# Altium PCB MCU025B.PcbDoc (part 4 of 4)
Units mil, origin at the board's own origin, x right, y up, seen from the top; angles counter-clockwise.
Board outline 2300 x 6150 mil, 6 copper layers (Top Signal, GND, Middle Signal, PWR, GND2, Bottom Signal), stack 61.64 mil thick; 237 components, 197 nets, 910 pads, 404 vias.
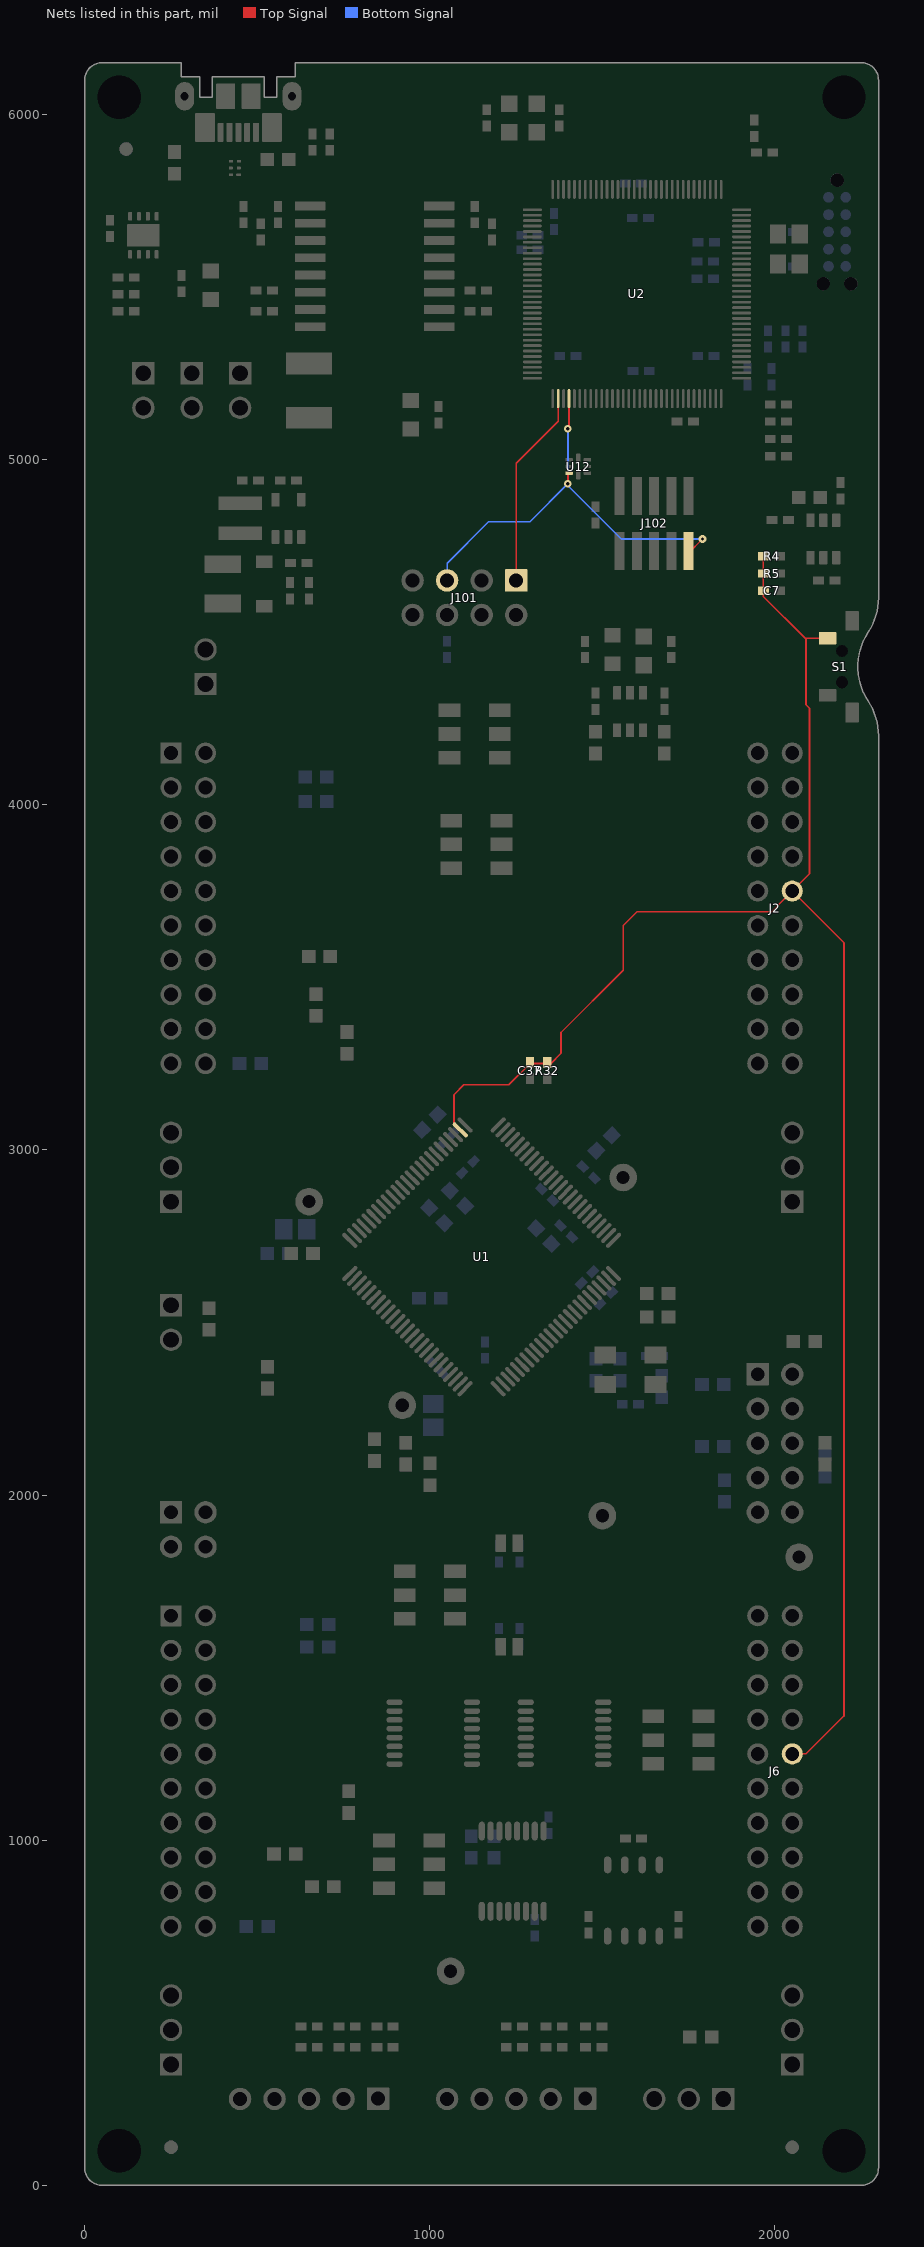
[diagram p8: the nets of this part, all layers, seen from the top]

## Via types
v1: diameter 22, hole 10, Top Signal to Bottom Signal, tented both sides, 400 vias
v2: diameter 19.68, hole 7.87, Top Signal to Bottom Signal, 4 vias

## Nets (pads, with @x,y where several pads share a name; then routed paths per layer and width w, separated by ;. In a path a pad name is that pad's centre, name@x,y a point inside that pad or via, vN(x,y) a via of type N, cw(c..) or ccw(c..) an arc to the next point about the centre after c; other vN are vias at no path point) (continued)
XDS_TMS_SWDIO: J101.5 J102.2 U2.36 U12.7 | length 1289.5
  Top Signal w5: v1(1400,4930) U12.7@1400,4960 ; v1(1400,5090) 1403.15,5093.15 U2.36@1403.15,5176.85 ; U12.7@1403.43,4960 U12.7@1403.43,4960.31 ; J102.2@1750,4730 v1(1790,4770)
  Bottom Signal w5: J101.5@1050,4650 1050,4700 1170,4820 1290,4820 v1(1400,4930) ; v1(1400,5090) v1(1400,4930) ; v1(1790,4770) 1555,4770 1400,4925 v1(1400,4930)
XDS_TXD: J101.1 U2.34 | length 577.2
  Top Signal w5: J101.1@1250,4650 1250,4990 1371.65,5111.65 U2.34@1371.65,5176.85
XRSn: C7.1 C37.2 J2.16 J6.16 R4.1 R5.2 R32.1 S1.4 U1.2 | length 5190.1
  Top Signal w5: U1.2@1088.06,3058.17 1070,3076.23 1070,3160 1098.5,3188.5 1228.5,3188.5 1290,3250 1350,3250 1380,3280 1380,3340 1560,3520 1560,3650 1600,3690 1990,3690 J2.16@2050,3750 ; C7.1@1966.38,4620 1966.38,4603.62 2087.32,4482.68 S1.4@2152.44,4482.68 ; C7.1@1966.38,4626.38 R5.2@1966.38,4670 ; R5.2@1966.38,4673.62 R4.1@1966.38,4720 ; J6.16@2050,1250 2090,1250 2200,1360 2200,3600 J2.16@2050,3750 ; 2090,4480 2090,4290 2100,4280 2100,3800 J2.16@2050,3750
pads on no net: FID1.1 FID2.1 FID3.1 FID4.1 FID5.1 FID6.1 J1.5 J2.17 J2.18 J5.9 J5.10 J6.17 J6.18 J10.7 J10.MH1 J10.MH2 J10.MH3 J11.9 J102.7 M1.0 M2.0 M3.0 M4.0 M5.0 M6.0 M7.0 M8.0 M9.0 MH1.1 MH2.1 MH3.1 MH4.1 S1. U1.43 U1.48 U1.49 U2.1 U2.2 U2.5 U2.6 U2.11 U2.12 U2.13 U2.14 U2.15 U2.18 U2.19 U2.20 U2.21 U2.22 U2.23 U2.24 U2.25 U2.27 U2.29 U2.30 U2.31 U2.32 U2.41 U2.42 U2.43 U2.44 U2.45 U2.46 U2.49 U2.50 U2.53 U2.54 U2.56 U2.57 U2.65 U2.67 U2.71 U2.72 U2.73 U2.74 U2.75 U2.76 U2.77 U2.78 U2.81 U2.82 U2.83 U2.84 U2.85 U2.86 U2.91 U2.92 U2.95 U2.102 U2.103 U2.104 U2.105 U2.106 U2.107 U2.108 U2.109 U2.110 U2.111 U2.112 U2.116 U2.117 U2.118 U2.119 U2.120 U2.121 U2.123 U2.124 U2.125 U2.126 U2.127 U2.128 U12.1 U101.7 U101.9@145.2,5650 U101.9@194.8,5650

## Polygon pours and split planes (outlines as drawn)
GND on GND "GND_GND_P018" (solid, remove dead copper, pour order 18): 865,6150 2300,6150 2300,0 0,0 0,5175 745,5175 865,5295
USB_GND on GND "GND_USB_GND_P000" (solid, remove dead copper, pour order 0): 0,5225 725,5225 815,5315 815,6150 0,6150
NetR23_1 on GND "GND_NETR23_1_P017" (solid, remove dead copper, pour order 17): 560,3300 600,3260 600,3030 860,2770 970,2880 970,2900 810,3060 810,3610 760,3660 760,4090 740,4110 580,4110 560,4090 560,3660 500,3600 320,3600 300,3580 300,3330 330,3300
NetR24_1 on GND "GND_NETR24_1_P016" (solid, remove dead copper, pour order 16): 580,1320 580,1120 560,1100 320,1100 300,1080 300,1030 300,826.67 322.86,800 700,800 800,900 800,1100 800,2450 900,2550 900,2560 820,2640 780,2640 592.5,2452.5 580,2440 580,1780
VDDA on PWR "PWR_VDDA_P014" (solid, remove dead copper, pour order 14): 977.73,3086.71 974.44,3090 869.17,3090.86 620,2850 620,2670 975,2315 1060,2400 1060,2690 1130,2760 1130,2900 1080,2950 1080,2980 1050,3020
VDD on PWR "PWR_VDD_P012" (solid, remove dead copper, pour order 12): 1555,2585 1555,2540 1530,2515 1485,2515 1270,2300 1160,2300 1111.41,2341.65 1110,2343.06 1110,2380 1170,2440 1170,2470 1260,2560 1400,2560 1470,2630 1470,2770 1190,3050 1140,3050 1080,2990 990,3080 990,3100 1040,3150 1340,3150 1580,2910 1580,2610
VDDIO on PWR "PWR_VDDIO_P010" (solid, remove dead copper, pour order 10): 870,2230 890,2210 1070,2210 1130,2270 1130,2400 1180,2440 1180,2470 1260,2550 1400,2550 1480,2630 1480,2770 1190,3060 1140,3060 1070,2990 1070,2940 1110,2900 1110,2750 1100,2750 1050,2700 1050,2410 950,2310 880,2310 870,2300
USB_VBUS on PWR "PWR_USB_VBUS_P002" (solid, remove dead copper, pour order 2): 0,6150 815,6150 815,5315 725,5225 0,5225
+3V3 on PWR "PWR_+3V3_P022" (solid, remove dead copper, pour order 22): 2300,6150 865,6150 865,5295 745,5175 0,5175 0,110 -10,100 2300,100
NetC59_1 on PWR "PWR_NETC59_1_P021" (solid, remove dead copper, pour order 21): 1840,5615 1665,5790 1645,5810 1560,5810 1550,5810 1510,5770 1510,5720 1720,5510 1880,5510 1910,5540 1910,5595 1890,5615
NetC106_2 on Top Signal "TOP_SIGNAL_NETC106_2_P030" (solid, remove dead copper, pour order 30): 730,5660 730,5505 485,5505 460,5530 460,5660
USB_VCC on Top Signal "TOP_SIGNAL_USB_VCC_P028" (solid, remove dead copper, pour order 28): 220,5220 250,5250 250,5385 325,5460 325,5715 240,5800 110,5800 50,5740 50,5280 110,5220
+3V3 on Top Signal "TOP_SIGNAL_+3V3_P027" (solid, remove dead copper, pour order 27): 480,4960 480,4930 460,4910 380,4910 380,4900 370,4890 370,4840 560,4840 590,4870 590,4960
NetD1_2 on Top Signal "TOP_SIGNAL_NETD1_2_P026" (solid, remove dead copper, pour order 26): 370,4830 550,4830 560,4820 560,4670 550,4660 460,4660 370,4750
NetC3_2 on Top Signal "TOP_SIGNAL_NETC3_2_P025" (solid, remove dead copper, pour order 25): 680,4730 660,4750 660,4755 660,4790 650,4800 605,4800 605,4705 560,4671.25 560,4630 680,4630
NetC3_1 on Top Signal "TOP_SIGNAL_NETC3_1_P024" (solid, remove dead copper, pour order 24): 325,4625 660,4625 660,4530 550,4530 420,4400 300,4400 280,4420 280,4580
+5V0 on Bottom Signal "BOTTOM_SIGNAL_+5V0_P020" (solid, remove dead copper, pour order 20): 865,6150 865,5295 745,5175 0,5175 0,0 1550,0 1550,850 1490,900 500,900 400,1000 400,4990 470,5060 800,5060 1000,5260 1000,5900 1100,6000 2000,6000 2050,6050 2050,6150
GND on GND2 "GND2_GND_P029" (solid, remove dead copper, pour order 29): 865,6160 865,5295 745,5175 -20,5175 -20,0 2320,0 2320,6160

## Keep-outs
Keep-Out Layer:
  text ".Layer_Name" at 577,-858.49 h60

## Other copper
Top Signal:
  text ".Layer_Name" at 577,-858.49 h60
GND:
  text ".Layer_Name" at 580,-860 h60
PWR:
  text ".Layer_Name" at 580,-860 h60
Middle Signal:
  text ".Layer_Name" at 580,-860 h60
GND2:
  text ".Layer_Name" at 580,-860 h60
Bottom Signal:
  text ".Layer_Name" at 577,-858.49 h60

## Silkscreen, mask and mechanical layers (free items; w line width, h text height)
Top Overlay:
  drawing of 9484 lines, arcs and shapes, not listed
  text "+3V3" at 110,5050 h30
  text "+5V0" at 250,5050 h30
  text "GND" at 410,5050 h30
  text "XDS110 Out" at 1520,4990 h30
  text "TCK" at 940,4480 h30 r270
  text "TMS" at 1040,4480 h30 r270
  text "TXD<<" at 1140,4480 h30 r270
  text "RXD>>" at 1240,4480 h30 r270
  text "XRSn" at 1980,4365 h72.83
  text "+5V0 / From Boost" at 420,4300 h30
  text "28/29" at 865.03,4260 h30
  text "UART / SELECT" at 1245,4180 h30
  text "35/37" at 865.03,4130 h30
  text "40" at 1830,4130 h30
  text "39" at 1830,4035 h30
  text "2" at 150,4030 h30
  text "19" at 2120,4030 h30
  text "BP" at 955,3940 h30
  text "38" at 1830,3935 h30
  text "3" at 150,3930 h30
  text "23" at 420,3930 h30
  text "18" at 2120,3930 h30
  text "28/29 / ROUTE" at 1255,3860 h30
  text "4" at 150,3830 h30
  text "24" at 420,3830 h30
  text "37" at 1830,3830 h30
  text "17" at 2120,3830 h30
  text "UART" at 895.02,3800 h30
  text "5" at 150,3730 h30
  text "25" at 420,3730 h30
  text "36" at 1830,3730 h30
  text "16" at 2120,3730 h30
  text "6" at 150,3630 h30
  text "26" at 420,3630 h30
  text "35" at 1830,3630 h30
  text "15" at 2120,3630 h30
  text "7" at 150,3530 h30
  text "27" at 420,3530 h30
  text "34" at 1830,3530 h30
  text "14" at 2120,3530 h30
  text "LAUNCHXL-F280049C" at 825,3450 h50
  text "8" at 150,3430 h30
  text "28" at 420,3430 h30
  text "33" at 1830,3430 h30
  text "13" at 2120,3430 h30
  text "9" at 150,3330 h30
  text "29" at 420,3330 h30
  text "32" at 1830,3330 h30
  text "12" at 2120,3330 h30
  text "30" at 420,3240 h30
  text "10" at 130,3230 h30
  text "31" at 1830,3230 h30
  text "11" at 2120,3230 h30
  text "VDD" at 1620,2900 h30
  text "VDDA" at 480,2840 h30
  text "VREFHI" at 20,2530 h30
  text "FSI" at 1915,2405 h30
  text "RXCLK" at 1719.98,2325 h30
  text "TXCLK" at 2109,2325 h30
  text "VDDIO" at 720,2240 h30
  text "TXD0" at 2176,2130 h30
  text "RXD0" at 1720,2100 h30
  text "RXD1" at 1765,2025 h30
  text "TXD1" at 2179,2025 h30
  text "+3V3" at 1560,1920 h30
  text "24" at 1120,1875 h30
  text "32" at 1290,1875 h30
  text "+3V3 / TO / J5" at 60,1820 h30
  text "+5V0 / TO / J7" at 420,1820 h30
  text "GND" at 2135,1805 h30
  text "1" at 1335,1800 h30
  text "ALT" at 800,1770 h30
  text "BOOT" at 1330,1700 h30
  text "80" at 1830,1635 h30
  text "BP" at 820,1630 h30
  text "0" at 1335,1595 h30
  text "42" at 130,1530 h30
  text "79" at 1830,1530 h30
  text "59" at 2120,1530 h30
  text "35/37 / ROUTE" at 920,1490 h30
  text "43" at 130,1430 h30
  text "63" at 420,1430 h30
  text "78" at 1830,1430 h30
  text "58" at 2120,1430 h30
  text "ALT" at 1570,1420 h30 r270
  text "44" at 130,1330 h30
  text "64" at 420,1330 h30
  text "77" at 1830,1330 h30
  text "57" at 2120,1330 h30
  text "BP" at 1570,1235 h30 r270
  text "45" at 130,1230 h30
  text "65" at 420,1230 h30
  text "76" at 1830,1230 h30
  text "56" at 2120,1230 h30
  text "46" at 130,1130 h30
  text "66" at 420,1130 h30
  text "75" at 1840,1130 h30
  text "55" at 2120,1130 h30
  text "CAN / ROUTE" at 1650,1070 h30
  text "47" at 130,1030 h30
  text "67" at 420,1030 h30
  text "74" at 1840,1030 h30
  text "54" at 2120,1030 h30
  text "BP" at 770,980 h25
  text "BP" at 1060,980 h25
  text "48" at 130,930 h30
  text "68" at 420,930 h30
  text "73" at 1830,930 h30
  text "53" at 2120,930 h30
  text "Q1" at 780,915 h25
  text "Q2" at 1060,915 h25
  text "J12" at 760,840 h25
  text "J13" at 1050,840 h25
  text "49" at 130,830 h30
  text "69" at 420,830 h30
  text "72" at 1830,830 h30
  text "52" at 2120,830 h30
  text "QEP Select" at 805,775 h30
  text "50" at 130,730 h30
  text "70" at 420,730 h30
  text "71" at 1840,730 h30
  text "51" at 2120,730 h30
  text "+5V0" at 900,640 h30
  text "EQEP2" at 600,315 h30
  text "EQEP1" at 1195,315 h30
  text "CAN" at 1735,315 h30
  text "GND" at 440,180 h30 r270
  text "+5V0" at 540,180 h30 r270
  text "2I" at 640,180 h30 r270
  text "2B" at 740,180 h30 r270
  text "2A" at 840,180 h30 r270
  text "GND" at 1040,180 h30 r270
  text "+5V0" at 1140,180 h30 r270
  text "1I" at 1240,180 h30 r270
  text "1B" at 1340,180 h30 r270
  text "1A" at 1440,180 h30 r270
  text "GND" at 1630,180 h30 r270
  text "CANL" at 1730,180 h30 r270
  text "CANH" at 1830,180 h30 r270
  text ".Layer_Name" at 577,-858.49 h60
Bottom Overlay:
  drawing of 12860 lines, arcs and shapes, not listed
  text "www.ti.com/launchpad" at 1140,4705 h100
  text "LAUNCHXL-F280049C / Development Kit" at 2300,4705 h100
  text "1" at 260,4220 h30
  text "21" at 370,4220 h30
  text "J3" at 470,4220 h40
  text "J4" at 1900,4220 h40
  text "40" at 1980,4220 h30
  text "20" at 2080,4220 h30
  text "P10" at 1880,4130 h30
  text "P11" at 1880,4035 h30
  text "PGAGND" at 180,4030 h30
  text "P57" at 2200,4030 h30
  text "P08" at 1880,3935 h30
  text "NC" at 2175,3935 h30
  text "P13" at 180,3930 h30
  text "AA5" at 500,3930 h30
  text "P40" at 180,3830 h30
  text "AB0" at 500,3830 h30
  text "P09" at 1880,3830 h30
  text "NC" at 2170,3830 h30
  text "'.PRJ_Number'.PCB_Rev" at 1370,3800 h108.27
  text "NC" at 180,3730 h30
  text "AC2" at 500,3730 h30
  text "P04" at 1880,3730 h30
  text "XRSn" at 2230,3730 h30
  text "AB3" at 180,3630 h30
  text "AB1" at 500,3630 h30
  text "P05" at 1880,3630 h30
  text "P16" at 2200,3630 h30
  text "AB2/G1I" at 570,3540 h25
  text "P56" at 180,3530 h30
  text "P58" at 1880,3530 h30
  text "P17" at 2200,3530 h30
  text "AC0/G3I" at 575,3435 h25
  text "AC4" at 180,3430 h30
  text "P30" at 1880,3430 h30
  text "P39" at 2200,3430 h30
  text "AA9/G5I" at 575,3340 h25
  text "P37" at 180,3330 h30
  text "P18" at 1880,3330 h30
  text "P23" at 2200,3330 h30
  text "P35" at 180,3230 h30
  text "P25" at 1880,3230 h30
  text "P59" at 2200,3230 h30
  text "AA1/DACB" at 640,3180 h30
  text "10" at 270,3150 h30
  text "30" at 380,3150 h30
  text "31" at 1970,3150 h30
  text "11" at 2070,3150 h30
  text "41" at 280,1720 h30
  text "61" at 370,1720 h30
  text "J7" at 470,1720 h40
  text "J8" at 1900,1720 h40
  text "80" at 1970,1720 h30
  text "60" at 2080,1720 h30
  text "P00" at 1880,1635 h30
  text "PGAGND" at 175,1530 h30
  text "P01" at 1880,1530 h30
  text "P27" at 2200,1530 h30
  text "P28" at 175,1430 h30
  text "AA6" at 500,1430 h30
  text "P06" at 1875,1430 h30
  text "NC" at 2170,1430 h30
  text "P29" at 175,1330 h30
  text "AB6" at 500,1330 h30
  text "NC" at 2170,1330 h30
  text "P07" at 1880,1325 h30
  text "AB4/G4O" at 180,1240 h25
  text "AC14" at 525,1230 h30
  text "P02" at 1880,1230 h30
  text "XRSn" at 2230,1230 h30
  text "AA4/G2O" at 180,1135 h25
  text "AC1" at 490,1130 h30
  text "P03" at 1880,1130 h30
  text "P24" at 2200,1130 h30
  text "AC3/G4I" at 575,1035 h25
  text "P22" at 180,1030 h30
  text "P26" at 1880,1030 h30
  text "P31" at 2200,1030 h30
  text "AA8/G6O" at 180,935 h25
  text "P15" at 1880,930 h30
  text "P33" at 2200,930 h30
  text "AC5/G6I" at 575,895 h25
  text "AA3/G2I" at 575,835 h25
  text "NC" at 180,830 h30
  text "P14" at 1880,830 h30
  text "P34" at 2200,830 h30
  text "NC" at 180,730 h30
  text "P32" at 1880,730 h30
  text "P12" at 2200,730 h30
  text "AA0/DACA" at 650,680 h30
  text "71" at 1970,650 h30
  text "51" at 2070,650 h30
  text "50" at 270,640 h30
  text "70" at 370,640 h30
  text ".Layer_Name" at 577,-858.49 h60
Top Paste:
  text ".Layer_Name" at 577,-858.49 h60
Bottom Paste:
  text ".Layer_Name" at 577,-858.49 h60
Top Solder:
  text ".Layer_Name" at 577,-858.49 h60
  text ".Layer_Name" at 577,-858.49 h60
Bottom Solder:
  text ".Layer_Name" at 577,-858.49 h60
Drill Guide:
  text ".Layer_Name" at 577,-858.49 h60
M1 Board Outline:
  the board outline again, w10
  text ".Layer_Name" at 577,-858.49 h60
M2 Board Dimensions:
  rectangle: 125,-400 500,-275
  rectangle: 0,-275 125,-150
  lines w7: 0,-275 1000,-275 ; 125,-400 125,-150 ; 250,-400 250,-150 ; 500,-400 500,-150 ; 750,-400 750,-150 ; 0,-400 0,-150 1000,-150 1000,-400 0,-400
  text "Radius 50 mil, 4 corners" at 2406,-202 h100
  text ".Layer_Name" at 577,-858.49 h60
M3 3D STEP Top:
  text ".Layer_Name" at 577,-858.49 h60
M4 3D STEP Bottom:
  text ".Layer_Name" at 577,-858.49 h60
M5 Assembly Top:
  lines w10: -292,-930.17 6308,-930.17 ; -292,-726.83 6310,-726.83 ; -292,-523.5 -292,-1133.5 3713,-1133.5 6310,-1133.5 6310,-523.5 -291.5,-523.5 -291.5,-1133.5 1284,-1133.5 ; 2173,-1133.5 2173,-523.5 ; 3440,-726.83 3440,-523.5 ; 4280,-726.83 4280,-523.5 ; 4902,-1140 4902,-937.17
  text "Place all Shunts (9 total) as described  in Figure 1 of Test Procedure." at 140,6720 h40
  text "Ensure that all switches are placed in the proper direction with default positions as described in Figure 1 of Test Procedure" at 140,6620 h40
  text "COMPONENTS MARKED 'DNP' SHOULD NOT BE POPULATED." at 1153.5,-318.5 h60
  text "ASSEMBLY VARIANT:" at 1153,-434 h60
  text ".VariantName" at 2189,-434 h60
  text "PCB VIEWED FROM TOP SIDE" at -228.5,-655.67 h60
  text "BOARD #:" at 2248,-655.67 h60
  text ".PRJ_Number" at 2793.5,-655.67 h60
  text "REV:" at 3638,-655.67 h60
  text ".PCB_Rev" at 3929.5,-655.67 h60
  text "SVN REV:" at 4476,-655.67 h60
  text ".VersionControl_RevNumber" at 4982,-655.67 h60
  text "TID #:" at 2248,-859 h60
  text ".TID" at 2793.5,-859 h60
  text ".Layer_Name" at 580,-860 h60
  text "PLOT NAME =" at -228.5,-1064.34 h60
  text ".plot_File_Name" at 577,-1064.34 h60
  text "GENERATED    :" at 2250,-1064.34 h60
  text ".Print_Date" at 3119.5,-1064.34 h60
  text ".Print_Time" at 3848.5,-1064.34 h60
  text "TEXAS INSTRUMENTS" at 5113,-1064.34 h60
M6 Assembly Bottom:
  lines w10: -292.5,-727.33 6309.5,-727.33 ; -290.5,-930.67 6309.5,-930.67 ; 1115.5,-1140.5 1115.5,-937.67 ; 1737.5,-727.33 1737.5,-524 ; 2577.5,-727.33 2577.5,-524 ; 3844.5,-1134 3844.5,-524 ; 4733.5,-1134 6309,-1134 6309,-524 -292.5,-524 -292.5,-1134 2304.5,-1134 6309.5,-1134 6309.5,-524
  text "COMPONENTS MARKED 'DNP' SHOULD NOT BE POPULATED." at 6102,-318 h60
  text ".VariantName" at 5058,-434 h60
  text "ASSEMBLY VARIANT:" at 6097,-434 h60
  text ".VersionControl_RevNumber" at 1035.5,-656.17 h60
  text "SVN REV:" at 1541.5,-656.17 h60
  text ".PCB_Rev" at 2088,-656.17 h60
  text "REV:" at 2379.5,-656.17 h60
  text ".PRJ_Number" at 3224,-656.17 h60
  text "BOARD #:" at 3769.5,-656.17 h60
  text "PCB VIEWED FROM BOTTOM SIDE" at 6246,-656.17 h60
  text ".Layer_Name" at 580,-860 h60
  text ".TID" at 3224,-859.5 h60
  text "TID #:" at 3769.5,-859.5 h60
  text "TEXAS INSTRUMENTS" at 904.5,-1064.84 h60
  text ".Print_Time" at 2169,-1064.84 h60
  text ".Print_Date" at 2898,-1064.84 h60
  text "GENERATED    :" at 3767.5,-1064.84 h60
  text ".plot_File_Name" at 5440.5,-1064.84 h60
  text "PLOT NAME =" at 6246,-1064.84 h60
M7 LPKF Text Top:
  text ".Layer_Name" at 580,-860 h60
M8 LPKF Text Bottom:
  text ".Layer_Name" at 580,-860 h60
M9 Title Sheet:
  drawing of 57 lines, arcs and shapes, not listed
  text "1" at 739.84,8036.5 h70
  text "2" at 3235.5,8036.5 h70
  text "3" at 5724.84,8036.5 h70
  text "4" at 8231.51,8036.5 h70
  text "5" at 10730.5,8036.5 h70
  text "6" at 13235.5,8036.5 h70
  text "A" at -416.5,6893.5 h70
  text "A" at 14383.5,6893.5 h70
  text "B" at -416.5,4513.5 h70
  text "B" at 14383.5,4513.5 h70
  text "C" at -416.5,2138.5 h70
  text "C" at 14383.5,2138.5 h70
  text "PROJECT TITLE:" at 11343.5,277.5 h45
  text ".PRJ_Title" at 11393.5,144.17 h70
  text "DESIGNED FOR:" at 11343.5,-23.5 h45
  text ".PRJ_Customer" at 11393.5,-163.5 h70
  text "D" at -416.5,-231.5 h70
  text "D" at 14383.5,-231.5 h70
  text "FILE NAME:" at 11343.5,-323.5 h45
  text ".PCB_File_Name_No_Path" at 11393.5,-443.5 h70
  text "Texas Instruments (TI) and/or its licensors do not warrant the accuracy or completeness of this specification" at 6374,-605.34 h45
  text "ENGINEER:" at 11343.5,-613.5 h45
  text "LAYOUT BY:" at 12848.5,-613.5 h45
  text "or any information contained therein. TI and/or its licensors do not warrant that this design will meet" at 6329.01,-718 h45
  text ".PRJ_Engineer" at 11393.5,-768.49 h70
  text ".PCB_Layout" at 12899,-768.49 h70
  text "the specifications, will be suitable for your application or fit for any particular purpose, or will operate in" at 6329.01,-830.67 h45
  text ".Layer_Name" at 577,-858.49 h60
  text "ALTIUM DESIGNER VERSION:" at 12848.5,-923.5 h45
  text "an implementation. TI and/or its licensors do not warrant that the design is production worthy. You should" at 6329.01,-943.33 h45
  text "completely validate and test your design implementation to confirm the system functionality for your application." at 6374,-1056 h45
  text ".print_Scale" at 11393.5,-1056.83 h70
  text ".Application_BuildNumber" at 12899,-1056.83 h70
  text "1" at 739.84,-1263.5 h70
  text "2" at 3235.5,-1263.5 h70
  text "3" at 5724.84,-1263.5 h70
  text "4" at 8231.51,-1263.5 h70
  text "5" at 10730.5,-1263.5 h70
  text "6" at 13235.5,-1263.5 h70
M10 Fab Notes:
  drawing of 189 lines, arcs and shapes, not listed
  text "DESIGN INFORMATION" at 12382.02,6356.17 h60
  text "MIN. TRACK WIDTH:" at 11737.46,6224.05 h60
  text "5" at 12833.7,6224.05 h60
  text "MIL" at 12988.46,6224.05 h60
  text "MIN. CLEARANCE:" at 11737.46,6099.92 h60
  text "0.2" at 12773.7,6099.93 h60
  text "mm" at 12988.46,6099.92 h60
  text "MIN. VIA PAD SIZE:" at 11737.46,5975.8 h60
  text "24" at 12803.71,5975.8 h60
  text "MIL" at 12988.46,5975.8 h60
  text "0.05mm (2MIL)" at 12432.46,5845.9 h60
  text "MINIMUM ANNULAR RING" at 11408.23,5837.67 h60
  text "EXTERNAL" at 13140.46,5837.67 h60
  text "PER" at 11608.23,5727.55 h60
  text "IPC-D-275 CLASS 2 LEVEL C" at 11828.23,5727.54 h60
  text "MIL, HOLES" at 13316.46,5627.07 h60
  text "+/-" at 12924,5618.48 h60
  text "+/-" at 13778,5618.48 h60
  text "REGISTRATION TOLERANCES:" at 11408.23,5617.42 h60
  text "METAL" at 12608,5617.42 h60
  text "5" at 13184.2,5617.42 h60
  text "3" at 14017.2,5617.42 h60
  text "MIL" at 14133.46,5617.42 h60
  text "HOLE SIZE TOLERANCE (UNLESS OTHERWISE SPECIFIED):" at 11408.23,5519.1 h60
  text "+/-" at 13778,5516.23 h60
  text "5" at 14017.2,5515.17 h60
  text "MIL" at 14133.46,5515.17 h60
  text "MATERIAL:" at 11333.46,5377.52 h60
  text "FR-4 High Tg" at 12319.9,5249 h60
  text "X" at 12175.46,5241.01 h60
  text "FR-408" at 11754.46,5236.49 h60
  text "OTHER" at 13242.46,5236.49 h60
  text "62 MIL (1.6mm) +/-10%" at 12074.56,5093.46 h60
  text "X" at 11954.46,5091.01 h60
  text "THICKNESS:" at 11408.23,5085.24 h60
  text "OTHER" at 13359.46,5085.24 h60
  text "TOLERANCE:" at 11408.23,4946.92 h60
  text "ANSI IPC-6012 TYPE 3 CLASS 2" at 12434.48,4946.92 h60
  text "IPC-A600" at 13120,4820 h72.83
  text "OTHER +/-" at 12434.46,4802.73 h60
  text "X" at 12265,4800 h60
  text "BOW & TWIST:" at 11408.23,4657.54 h60
  text "ANSI IPC-6012 TYPE 3 CLASS 2" at 12434.48,4657.54 h60
  text "X" at 12255,4535 h60
  text "IPC-A600" at 13120,4515 h72.83
  text "OTHER +/-" at 12434.46,4510.85 h60
  text "DRILLING:" at 11333.46,4380.23 h60
  text "NC_DRILL FILES" at 13094.46,4275.04 h60
  text "REFERENCE:" at 11408.23,4271.1 h60
  text "X" at 12065.46,4271.01 h60
  text "AS SHOWN" at 12243.46,4271.1 h60
  text "X" at 12966.46,4271.1 h60
  text "OTHER" at 13392.46,4128.85 h60
  text "PTH COPPER THICKNESS:" at 11407.91,4125.32 h60
  text "X" at 12547.14,4125.32 h60
  text "20-30 um" at 12675.14,4125.32 h60
  text "BOARD FINISH:" at 11333.46,3977.73 h60
  text "SILKSCREEN:" at 11488.68,3867.6 h60
  text "X" at 12446.46,3867.6 h60
  text "TOP" at 12563.46,3867.6 h60
  text "X" at 12956.46,3867.6 h60
  text "BOTTOM" at 13074.46,3867.6 h60
  text "SILKSCREEN COLOR:" at 11488.68,3712.41 h60
  text "X" at 12445.46,3712.41 h60
  text "WHITE" at 12563.46,3712.41 h60
  text "OTHER" at 13074.46,3712.41 h60
  text "RED" at 13712,3579 h80
  text "GREEN" at 12694.46,3568.96 h60
  text "OTHER" at 13312.46,3568.96 h60
  text "X" at 13166,3565 h60
  text "SOLDER RESIST COLOR:" at 11488.68,3562.1 h60
  text "MATTE" at 12694.46,3414.71 h60
  text "SEMI-GLOSS" at 13312,3414.07 h60
  text "IMMERSION GOLD (ENIG)" at 12394.46,3241.94 h60
  text "ENEPIG" at 13732,3234.72 h60
  text "SURFACE FINISH:" at 11333.46,3233.72 h60
  text "IMM. TIN/SILVER OR EQUIV" at 11663,3096.4 h60
  text "X" at 11515,3095 h60
  text "OTHER" at 13094.46,3092.47 h60
  text "ARRAY/PANEL:" at 11333.46,2937.09 h60
  text "CUT AND TRIM PER M1 BOARD OUTLINE" at 12394.46,2928.87 h60
  text "X" at 12216,2927 h60
  text "N.C. ROUTE" at 12394.46,2792.9 h60
  text "V. SCORE" at 13260.46,2792.9 h60
  text "CERTIFICATION:" at 11333.46,2663.77 h60
  text "MATERIALS AND WORKMANSHIP FOR ALL PCBS" at 12058.46,2663.77 h60
  text "TO MEET OR EXCEED THE REQUIREMENTS OF:" at 12058.46,2569.71 h60
  text "X" at 11695.97,2441.08 h60
  text "ANSI IPC-A-600F CLASS ->" at 11823.96,2441.08 h60
  text "2" at 13581.96,2441.08 h60
  text "1" at 13266.96,2439.58 h60
  text "3" at 13935.96,2439.58 h60
  text "X" at 12507.97,2293.39 h60
  text "RoHS" at 12635.96,2293.39 h60
  text "OTHER" at 13280.36,2293.39 h60
  text "PER ORDER" at 13677.42,2293.39 h60
  text "ALL BOARDS MUST MEET OR EXCEED UL94-V0 REQUIREMENTS." at 11361,2139.57 h60
  text "PCB MUST BEAR THE UL94V-0 UL REGISTERED MATERIAL ID NUMBER" at 11361,2023.5 h60
  text "ADDITIONAL REQUIREMENTS:" at 11333.46,1854.08 h60
  text "MICROSECTION:" at 11408.23,1746.95 h60
  text "YES" at 12313.96,1746.95 h60
  text "X" at 12592,1605 h60
  text "REQUIRED" at 13175.46,1602.62 h60
  text "BARE BOARD ELEC. TEST:" at 11408.23,1599.76 h60
  text "NONE" at 12713.96,1599.76 h60
  text "PER ORDER" at 13767.46,1599.76 h60
  text "XX MIL VIAS REQUIRE NON-CONDUCTIVE FILL AND PLANARIZE" at 11576.38,1394.82 h59
  text "XX MIL VIAS REQUIRE CONDUCTIVE FILL AND PLANARIZE" at 11584.38,1290.84 h60
  text "OUTER XX MIL VIAS REQUIRE 50 OHM SINGLE-ENDED IMPEDANCE" at 11583.39,1127.46 h58
  text "LAYER 2 & 3 (INNER LAYERS) XX MIL WIDE, XX MIL SPACE / TRACES REQUIRE 100 OHM DIFFERENTIAL IMPEDANCE" at 11575.39,891.74 h60
  text ".Layer_Name" at 577,-858.49 h60
M11 Gerber Information:
  lines w10: -292,-930.17 6308,-930.17 ; -292,-726.83 6310,-726.83 ; -292,-523.5 -292,-1133.5 3713,-1133.5 6310,-1133.5 6310,-523.5 -291.5,-523.5 -291.5,-1133.5 1284,-1133.5 ; 2173,-1133.5 2173,-523.5 ; 3440,-726.83 3440,-523.5 ; 4280,-726.83 4280,-523.5 ; 4902,-1140 4902,-937.17
  text "ALL ARTWORK VIEWED FROM TOP SIDE" at -228.5,-655.67 h60
  text "BOARD #:" at 2248,-655.67 h60
  text ".PRJ_Number" at 2793.5,-655.67 h60
  text "REV:" at 3638,-655.67 h60
  text ".PCB_Rev" at 3929.5,-655.67 h60
  text "SVN REV:" at 4476,-655.67 h60
  text ".VersionControl_RevNumber" at 4982,-655.67 h60
  text "LAYER NAME =" at -228.5,-858.49 h60
  text "TID #:" at 2248,-859 h60
  text ".TID" at 2793.5,-859 h60
  text ".Layer_Name" at 580,-860 h60
  text "PLOT NAME =" at -228.5,-1064.34 h60
  text ".plot_File_Name" at 577,-1064.34 h60
  text "GENERATED    :" at 2250,-1064.34 h60
  text ".Print_Date" at 3119.5,-1064.34 h60
  text ".Print_Time" at 3848.5,-1064.34 h60
  text "TEXAS INSTRUMENTS" at 5113,-1064.34 h60
M12 Stackup:
  drawing of 399 lines, arcs and shapes, not listed
  text "Layer" at 6505.58,7087.5 h60
  text "Name" at 6915.49,7087.5 h60
  text "Material" at 7845.23,7087.5 h60
  text "Thickness" at 8705,7087.5 h60
  text "Constant" at 9354.84,7087.5 h60
  text "Board Layer Stack" at 9924.7,7087.5 h60
  text "1" at 6505.58,6967.5 h60
  text "Top Overlay" at 6915.49,6967.5 h60
  text "2" at 6505.58,6847.5 h60
  text "Top Solder" at 6915.49,6847.5 h60
  text "Solder Resist" at 7845.23,6847.5 h60
  text "0.40mil" at 8705,6847.5 h60
  text "3.5" at 9354.84,6847.5 h60
  text "3" at 6505.58,6727.5 h60
  text "Top Signal" at 6915.49,6727.5 h60
  text "Copper" at 7845.23,6727.5 h60
  text "1.40mil" at 8705,6727.5 h60
  text "4" at 6505.58,6607.5 h60
  text "Dielectric 1" at 6915.49,6607.5 h60
  text "FR-4" at 7845.23,6607.5 h60
  text "6.25mil" at 8705,6607.5 h60
  text "4.2" at 9354.84,6607.5 h60
  text "5" at 6505.58,6487.5 h60
  text "GND" at 6915.49,6487.5 h60
  text "Copper" at 7845.23,6487.5 h60
  text "1.40mil" at 8705,6487.5 h60
  text "6" at 6505.58,6367.5 h60
  text "Dielectric 2" at 6915.49,6367.5 h60
  text "FR-4" at 7845.23,6367.5 h60
  text "16.10mil" at 8705,6367.5 h60
  text "4.2" at 9354.84,6367.5 h60
  text "7" at 6505.58,6247.5 h60
  text "Middle Signal" at 6915.49,6247.5 h60
  text "Copper" at 7845.23,6247.5 h60
  text "1.40mil" at 8705,6247.5 h60
  text "8" at 6505.58,6127.5 h60
  text "Dielectric 3" at 6915.49,6127.5 h60
  text "FR-4" at 7845.23,6127.5 h60
  text "8.54mil" at 8705,6127.5 h60
  text "4.2" at 9354.84,6127.5 h60
  text "9" at 6505.58,6007.5 h60
  text "PWR" at 6915.49,6007.5 h60
  text "Copper" at 7845.23,6007.5 h60
  text "1.40mil" at 8705,6007.5 h60
  text "10" at 6505.58,5887.5 h60
  text "Dielectric 4" at 6915.49,5887.5 h60
  text "FR-4" at 7845.23,5887.5 h60
  text "16.10mil" at 8705,5887.5 h60
  text "4.2" at 9354.84,5887.5 h60
  text "11" at 6505.58,5767.5 h60
  text "GND2" at 6915.49,5767.5 h60
  text "Copper" at 7845.23,5767.5 h60
  text "1.40mil" at 8705,5767.5 h60
  text "12" at 6505.58,5647.5 h60
  text "Dielectric 5" at 6915.49,5647.5 h60
  text "FR-4" at 7845.23,5647.5 h60
  text "6.25mil" at 8705,5647.5 h60
  text "4.2" at 9354.84,5647.5 h60
  text "13" at 6505.58,5527.5 h60
  text "Bottom Signal" at 6915.49,5527.5 h60
  text "Copper" at 7845.23,5527.5 h60
  text "1.40mil" at 8705,5527.5 h60
  text "14" at 6505.58,5407.5 h60
  text "Bottom Solder" at 6915.49,5407.5 h60
  text "Solder Resist" at 7845.23,5407.5 h60
  text "0.40mil" at 8705,5407.5 h60
  text "3.5" at 9354.84,5407.5 h60
  text "15" at 6505.58,5287.5 h60
  text "Bottom Overlay" at 6915.49,5287.5 h60
  text "Use Standard 6 Layer Stackup" at 7220,5250 h250
  text ".Layer_Name" at 577,-858.49 h60
M13 Component Bodies Top:
  text ".Layer_Name" at 577,-858.49 h60
M14 Component Bodies Bottom:
  text ".Layer_Name" at 577,-858.49 h60
M15 Courtyards Top:
  text ".Layer_Name" at 577,-858.49 h60
M16 Courtyards Bottom:
  text ".Layer_Name" at 577,-858.49 h60
Drill Drawing:
  circle w10: c5363.73,3361.9 r16.58
  circle w10: c5363.73,3361.9 r27.63
  circle w10: c5363.73,2740.23 r27.63
  lines w10: 5336.1,2146.18 5391.36,2146.18 5363.73,2090.92 5336.1,2146.18 ; 5336.1,2229.07 5349.91,2229.07 5363.73,2215.25 5377.54,2229.07 5391.36,2229.07 5377.54,2242.89 5391.36,2256.7 5377.54,2256.7 5363.73,2270.52 5349.91,2256.7 5336.1,2256.7 5349.91,2242.89 5336.1,2229.07 ; 5336.1,2367.22 5363.73,2339.59 5391.36,2367.22 5363.73,2394.85 5336.1,2367.22 ; 5336.1,2477.74 5349.91,2477.74 5349.91,2463.93 5377.54,2463.93 5377.54,2477.74 5391.36,2477.74 5391.36,2505.37 5377.54,2505.37 5377.54,2519.19 5349.91,2519.19 5349.91,2505.37 5336.1,2505.37 5336.1,2477.74 ; 5336.1,2588.26 5363.73,2602.08 5391.36,2588.26 5377.54,2615.89 5391.36,2643.52 5363.73,2629.71 5336.1,2643.52 5349.91,2615.89 5336.1,2588.26 ; 5336.1,2892.19 5391.36,2892.19 5363.73,2836.93 5336.1,2892.19 ; 5336.1,2961.27 5391.36,2961.27 5391.36,3016.53 5336.1,3016.53 5336.1,2961.27 ; 5336.1,3085.6 5336.1,3099.42 5349.91,3113.23 5336.1,3127.05 5336.1,3140.86 5349.91,3140.86 5363.73,3127.05 5377.54,3140.86 5391.36,3140.86 5391.36,3127.05 5377.54,3113.23 5391.36,3099.42 5391.36,3085.6 5377.54,3085.6 5363.73,3099.42 5349.91,3085.6 5336.1,3085.6 ; 5336.1,3209.94 5391.36,3209.94 5391.36,3265.2 5336.1,3265.2 5336.1,3209.94 ; 5347.15,2881.14 5380.3,2881.14 5363.73,2847.98 5347.15,2881.14 ; 5347.15,2972.32 5380.3,2972.32 5380.3,3005.47 5347.15,3005.47 5347.15,2972.32
  lines w12: 5286,2053.62 8547.18,2053.62 ; 5286,3421.31 8547.18,3421.31 ; 5623.75,1929.28 5623.75,3545.64 ; 5955.56,1929.28 5955.56,3545.64 ; 6591.66,1929.28 6591.66,3545.64 ; 6850.66,1929.28 6850.66,3545.64 ; 7225.64,1929.28 7225.64,3545.64 ; 7980.98,1929.28 7980.98,3545.64 ; 5286,1929.28 8547.18,1929.28 8547.18,3545.64 5286,3545.64 5286,1929.28
  text "Symbol" at 5360.6,3458.61 h72
  text "Quantity" at 5661.05,3458.61 h72
  text "Finished Hole Size" at 5992.86,3458.61 h72
  text "Plated" at 6628.96,3458.61 h72
  text "Hole Type" at 6887.96,3458.61 h72
  text "Drill Layer Pair" at 7262.94,3458.61 h72
  text "Hole Tolerance" at 8018.28,3458.61 h72
  text "2" at 5661.05,3334.27 h60
  text "35.43mil (0.900mm)" at 5992.86,3334.27 h60
  text "NPTH" at 6628.96,3334.27 h60
  text "Round" at 6887.96,3334.27 h60
  text "Top Signal - Bottom Signal" at 7262.94,3334.27 h60
  text "3" at 5661.05,3209.94 h60
  text "39.00mil (0.991mm)" at 5992.86,3209.94 h60
  text "NPTH" at 6628.96,3209.94 h60
  text "Round" at 6887.96,3209.94 h60
  text "Top Signal - Bottom Signal" at 7262.94,3209.94 h60
  text "4" at 5661.05,3085.6 h60
  text "125.00mil (3.175mm)" at 5992.86,3085.6 h60
  text "NPTH" at 6628.96,3085.6 h60
  text "Round" at 6887.96,3085.6 h60
  text "Top Signal - Bottom Signal" at 7262.94,3085.6 h60
  text "4" at 5661.05,2961.27 h60
  text "7.87mil (0.200mm)" at 5992.86,2961.27 h60
  text "PTH" at 6628.96,2961.27 h60
  text "Round" at 6887.96,2961.27 h60
  text "Top Signal - Bottom Signal" at 7262.94,2961.27 h60
  text "3" at 5661.05,2836.93 h60
  text "10.00mil (0.254mm)" at 5992.86,2836.93 h60
  text "PTH" at 6628.96,2836.93 h60
  text "Round" at 6887.96,2836.93 h60
  text "Top Signal - Bottom Signal" at 7262.94,2836.93 h60
  text "397" at 5661.05,2712.6 h60
  text "10.00mil (0.254mm)" at 5992.86,2712.6 h60
  text "PTH" at 6628.96,2712.6 h60
  text "Round" at 6887.96,2712.6 h60
  text "Top Signal - Bottom Signal" at 7262.94,2712.6 h60
  text "+/-5.00mil" at 8018.28,2712.6 h60
  text "6" at 5661.05,2588.26 h60
  text "37.99mil (0.965mm)" at 5992.86,2588.26 h60
  text "PTH" at 6628.96,2588.26 h60
  text "Round" at 6887.96,2588.26 h60
  text "Top Signal - Bottom Signal" at 7262.94,2588.26 h60
  text "32" at 5661.05,2463.93 h60
  text "40.00mil (1.016mm)" at 5992.86,2463.93 h60
  text "PTH" at 6628.96,2463.93 h60
  text "Round" at 6887.96,2463.93 h60
  text "Top Signal - Bottom Signal" at 7262.94,2463.93 h60
  text "80" at 5661.05,2339.59 h60
  text "40.16mil (1.020mm)" at 5992.86,2339.59 h60
  text "PTH" at 6628.96,2339.59 h60
  text "Round" at 6887.96,2339.59 h60
  text "Top Signal - Bottom Signal" at 7262.94,2339.59 h60
  text "25" at 5661.05,2215.25 h60
  text "45.28mil (1.150mm)" at 5992.86,2215.25 h60
  text "PTH" at 6628.96,2215.25 h60
  text "Round" at 6887.96,2215.25 h60
  text "Top Signal - Bottom Signal" at 7262.94,2215.25 h60
  text "2" at 5661.05,2090.92 h60
  text "23.62mil (0.600mm)" at 5992.86,2090.92 h60
  text "PTH" at 6628.96,2090.92 h60
  text "Slot" at 6887.96,2090.92 h60
  text "Top Signal - Bottom Signal" at 7262.94,2090.92 h60
  text "558 Total" at 5661.05,1966.58 h60
  text "Slot definitions :" at 5360.6,1879.55 h60
  text "Routed Path Length" at 5811.08,1879.55 h60
  text "= Calculated from tool start centre position to tool end centre position." at 6350.63,1879.55 h60
  text "Hole Length" at 5811.08,1829.82 h60
  text "= Routed Path Length + Tool Size = Slot length as defined in the PCB layout" at 6150.89,1829.82 h60
  text ".Layer_Name" at 577,-858.49 h60
M17 Embedded Cavity:
  text ".Layer_Name" at 577,-858.49 h60
M18 Embedded Assembly:
  text ".Layer_Name" at 577,-858.49 h60
M19 Embedded Keepout:
  text ".Layer_Name" at 577,-858.49 h60

## Dimensions
2118.33,4200 to 2438,4202 on M2 Board Dimensions
2118.33,4600 to 2461,4585 on M2 Board Dimensions
2421.67,4400 to 2400,4400 on M2 Board Dimensions
2250,50 to 2375,-65 on M2 Board Dimensions
0,0 to 2300,0 on M2 Board Dimensions
0,0 to 0,6150 on M2 Board Dimensions
0,-400 to 1000,-400 on M2 Board Dimensions

## Text inside footprints (layer, text, board x,y; h text height)
J1: Top Overlay "J3" at 398.43,4220 h40; Top Overlay "10" at 228,3150 h30; Top Overlay "1" at 245,4220 h30; Top Overlay "30" at 325,3150 h30; Top Overlay "21" at 330,4220 h30
J2: Top Overlay "J4" at 1831.02,4220 h40; Top Overlay "20" at 2025,4220 h30; Top Overlay "11" at 2033,3150 h30; Top Overlay "31" at 1930,3150 h30; Top Overlay "40" at 1925,4220 h30
J5: Top Overlay "J7" at 398.43,1720 h40; Top Overlay "41" at 225,1720 h30; Top Overlay "61" at 330,1720 h30; Top Overlay "50" at 228,650 h30; Top Overlay "70" at 325,650 h30
J6: Top Overlay "60" at 2025,1720 h30; Top Overlay "80" at 1925,1720 h30; Top Overlay "J8" at 1831.02,1720 h40; Top Overlay "51" at 2033,650 h30; Top Overlay "71" at 1930,650 h30
Logo3: Bottom Overlay "For evaluation only; not FCC approved for resale." at 1777.07,86.1 h60
S2: M5 Assembly Top "1" at 1277.24,1804.49 h39.37 r180